# KiCad board FetsAndCrosses.kicad_pcb (continued)
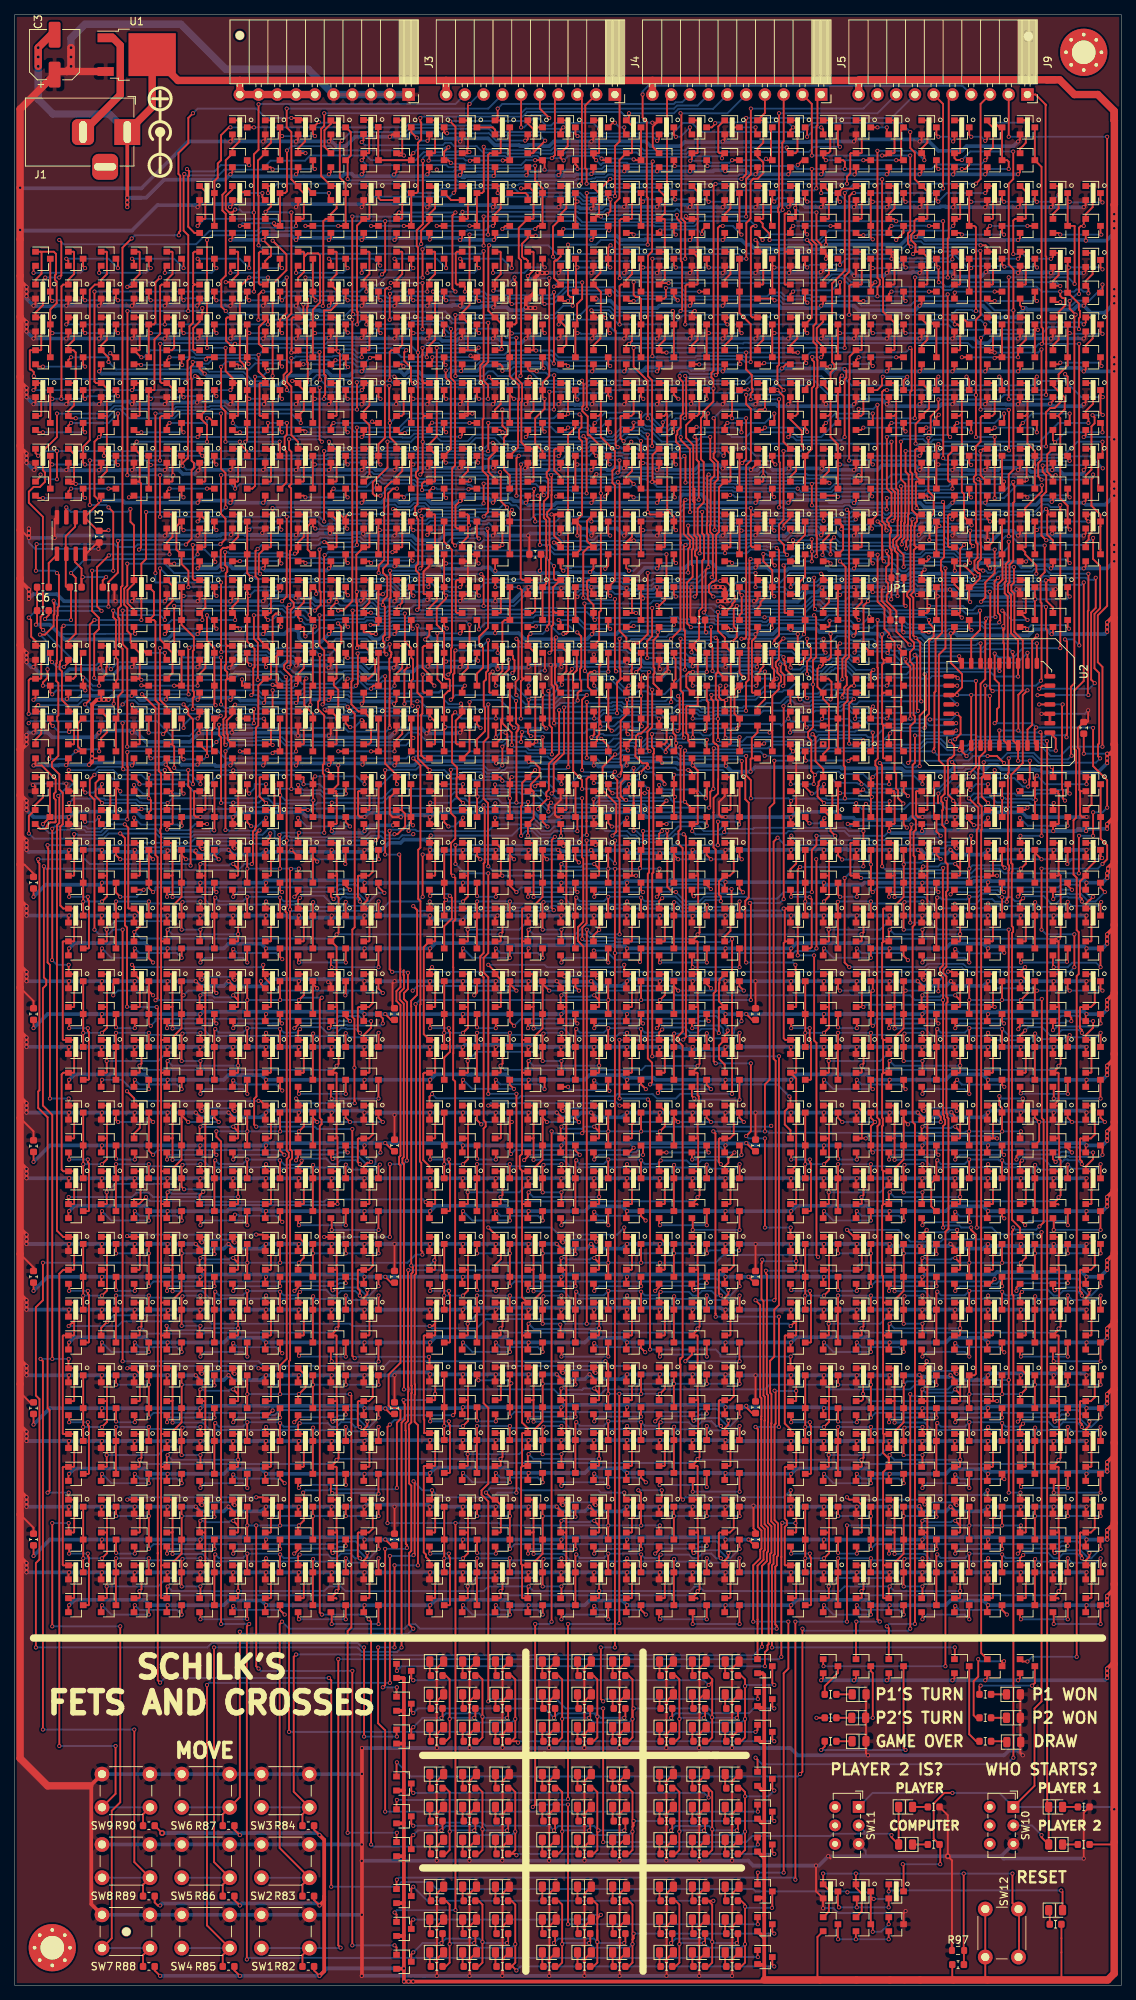
[diagram p0: board, top side]
## Routing (per net, layer and track width the routed paths; a pad name or vN(x,y) marks a point on that pad's centre or on a via; arc(x,y) is an arc through that point) (continued)
/PlayerMoveLegal/sheet5EE55524/C: length 105.7
  Top w0.25: Q831.1 119.08,221.29 119.16,221.37 119.16,225.01 118.43,225.74 Q832.1 117.6,226.52 117.6,231.01 117.48,231.14 v1(117.48,244.44) ; v1(45.08,244.47) 45.08,246.74 Q878.3 44.86,247.01 45.52,247.66 45.52,250.81 44.86,251.46 Q877.3
  Bottom w0.25: v1(45.08,244.47) 45.27,244.29 59.88,244.29 60.05,244.12 61.24,244.12 61.41,244.29 75.99,244.29 76.17,244.47 78.1,244.47 78.18,244.56 78.56,244.56 78.71,244.71 79.99,244.71 80.36,245.08 80.93,245.08 81.08,244.93 97.99,244.93 98.14,245.08 98.71,245.08 99.35,244.44 v1(117.48,244.44)
/PlayerMoveLegal/sheet5EE55524/sheet5EE534A3/A: length 25.4
  Top w0.25: v1(123.83,224.15) 123.83,223.77 123.8,223.74 123.6,223.74 ; Q834.1 122.83,221.94 123.6,222.72 123.6,223.74 ; Q829.3 111.49,223.88 ; 111.49,223.88 Q827.3 ; 111.49,223.88 111.49,223.88 v1(111.76,223.61) ; 123.6,223.74 123.6,224.76 122.83,225.54 Q833.1 ; Q832.3 120.38,223.88 v1(120.65,223.61) ; v1(116.22,223.61) 115.94,223.9 Q828.3
  Bottom w0.25: v1(123.83,224.15) 123.28,223.61 v1(120.65,223.61) v1(116.22,223.61) v1(111.76,223.61)
/StateMaschine/GameOver: length 303.7
  Top w0.25: Q427.3 Q428.3 139.06,246.11 139.06,224.43 139.25,224.24 139.25,222.32 v1(139.09,222.16) ; v1(121.92,169.14) 121.92,165.47 121.6,165.16 121.6,158.12 122.04,157.68 122.04,156.4 121.74,156.09 121.74,152.9 121.89,152.75 121.89,143.54 121.6,143.26 121.6,116.84 121.92,116.52 v1(121.92,48.89) ; v1(142.45,168.91) 142.45,169.3 142.52,169.38 142.52,181.87 v1(142.24,182.15) ; v1(144.18,181.35) 144.16,181.37 v1(144.16,222.16) ; Q1340.1 118.38,48.31 v1(118.11,48.58) ; Q670.1 82.82,221.94 83.03,222.16 v1(83.2,222.16) 83.6,222.55 83.6,225.66 83.52,225.74 Q669.1
  Bottom w0.25: v1(118.11,48.58) 118.43,48.89 v1(121.92,48.89) ; v1(142.45,168.91) 142.17,169.18 139.69,169.18 139.49,168.99 130.41,168.99 130.17,169.23 127.07,169.23 126.98,169.14 v1(121.92,169.14) ; v1(144.18,181.35) 143.38,182.15 v1(142.24,182.15) ; v1(83.2,222.16) 83.26,222.22 98.66,222.22 98.75,222.31 99.37,222.31 99.39,222.28 129.07,222.28 129.68,221.67 138.22,221.67 138.7,222.16 v1(139.09,222.16) v1(144.16,222.16)
/StateMaschine/P1Turn: length 205.6
  Top w0.25: Q1344.1 109.49,43.23 v1(109.54,43.18) ; v1(120.38,191.98) 120.38,193.6 119.65,194.34 119.65,194.68 119.41,194.91 119.41,195.45 120.03,196.06 120.03,198.08 120.1,198.15 120.1,202.8 v1(120.02,202.88) ; v1(133.98,203.52) 133.98,202.83 Q680.3 Q679.3 ; v1(126.05,191.77) 126.05,191.77 126.05,180.98 125.16,180.09 125.16,165.81 125.95,165.02 125.95,161.26 125.49,160.79 125.49,160.24 125.7,160.03 125.7,159.1 125.62,159.02 125.62,157.02 126.05,156.59 126.05,152.02 126.35,151.72 126.35,148.19 126.15,147.99 126.15,147.48 126.18,147.45 126.18,137.86 125.76,137.45 125.76,136.96 126.18,136.54 126.18,133.79 126.33,133.64 126.33,133.06 126.18,132.91 126.18,118.03 126.31,117.9 126.31,117.46 126.46,117.31 126.46,102.4 126.05,101.98 v1(126.05,43.18)
  Bottom w0.25: v1(133.98,203.52) 133.63,203.17 126.71,203.17 126.43,202.88 v1(120.02,202.88) ; v1(120.38,191.98) 120.66,192.25 123.26,192.25 123.3,192.21 125.61,192.21 v1(126.05,191.77) ; v1(109.54,43.18) v1(126.05,43.18)
/StateMaschine/P1WriteEN: length 452.2
  Top w0.25: Q42.1 7.97,92.39 8.05,92.31 8.05,89.64 ; Q82.1 56.87,92.39 56.94,92.31 56.94,89.96 ; 7.27,52.38 7.97,52.38 8.05,52.46 8.05,56.75 7.97,56.83 Q250.1 6.57,56.83 6.5,56.91 6.5,70.09 6.57,70.16 7.97,70.16 8.05,70.24 8.05,74.53 7.97,74.61 Q130.1 6.57,74.61 6.5,74.69 6.5,87.87 6.57,87.94 7.97,87.94 8.05,88.02 8.05,89.64 ; 56.17,52.38 56.87,52.38 56.94,52.46 56.94,56.75 56.87,56.83 Q290.1 56.17,57.48 55.7,57.95 55.7,58.29 55.39,58.59 55.39,70.21 55.47,70.29 Q169.1 56.87,70.29 56.94,70.37 56.94,74.66 56.87,74.73 Q170.1 55.47,74.73 55.46,74.75 55.46,76.55 55.39,76.62 55.39,87.87 55.47,87.94 56.87,87.94 56.94,88.02 56.94,89.96 ; 105.06,52.38 105.76,52.38 105.84,52.46 105.84,56.75 105.76,56.83 Q298.1 104.36,56.83 104.29,56.91 104.29,62.02 104.57,62.3 104.57,62.88 104.29,63.16 104.29,70.09 104.36,70.16 105.76,70.16 105.84,70.24 105.84,74.53 105.76,74.61 Q210.1 105.06,75.26 104.29,76.04 104.29,87.87 104.36,87.94 105.76,87.94 105.84,88.02 105.84,89.64 ; v1(90.05,217.8) 90.05,217.42 90.48,216.99 90.48,212.68 90.18,212.38 90.18,210.84 89.73,210.39 89.73,209.92 89.57,209.75 89.57,208.88 90.09,208.36 90.09,206.72 90.16,206.65 90.16,195.33 90.25,195.24 ; 8.05,89.64 7.73,89.64 v1(7.3,89.22) ; Q667.3 98.16,242.84 Q668.3 98.16,237.22 v1(98.42,236.95) ; v1(76.84,164.46) 76.84,173.99 77.47,174.62 ; v1(81.28,164.24) 81.01,163.96 81.01,163.7 81.61,163.09 81.61,160.76 81.92,160.46 v1(81.92,142.24) ; 105.84,89.64 105.84,92.31 105.76,92.39 Q122.1 105.09,92.42 ; 105.84,89.64 105.52,89.64 v1(105.09,89.22) ; v1(77.47,89.53) v1(77.47,142.88) ; 90.25,195.24 90.22,195.22 ; 90.25,195.24 90.16,195.15 90.16,183.5 v1(88.9,182.25) ; 56.94,89.96 56.94,89.57 56.59,89.22 v1(56.2,89.22) ; v1(67.95,182.25) 68.22,181.97 68.22,176.8 67.83,176.42 67.83,174.74 v1(67.95,174.62) ; v1(94.95,217.93) 95.23,218.2 95.23,237.85 95.5,238.12 v1(95.89,238.12)
  Bottom w0.25: v1(81.28,164.24) 81.23,164.19 77.11,164.19 v1(76.84,164.46) ; v1(94.95,217.93) 94.81,218.07 91.43,218.07 91.09,218.41 90.27,218.41 90.05,218.19 v1(90.05,217.8) ; v1(77.47,174.62) 74.3,174.62 73.03,173.35 69.22,173.35 v1(67.95,174.62) ; v1(98.42,236.95) 97.25,238.12 v1(95.89,238.12) ; v1(67.95,182.25) 68.58,181.61 82.93,181.61 83.53,182.21 85.76,182.21 85.91,182.06 88.72,182.06 v1(88.9,182.25) ; v1(81.92,142.24) 78.11,142.24 v1(77.47,142.88) ; v1(7.3,89.22) 13.97,89.22 14.61,89.85 26.35,89.85 26.67,89.53 45.4,89.53 45.72,89.22 v1(56.2,89.22) 56.52,88.9 62.55,88.9 63.82,90.17 73.98,90.17 74.61,89.53 v1(77.47,89.53) 104.78,89.53 v1(105.09,89.22)
/StateMaschine/P2_Starts: length 283.5
  Top w0.25: Q678.1 105.75,225.74 105.98,225.5 105.98,222.88 105.05,221.94 Q677.1 105.36,220.98 v1(106.05,220.98) ; Q647.1 87.97,225.74 88.04,225.66 88.04,222.72 87.27,221.94 Q648.1 87.31,221.29 87.63,220.98 v1(88.27,220.98) ; D83.2 D82.1 139.83,24.33 139.83,168.36 v1(139.79,168.4) ; D83.2 139.06,20.02 v1(139.06,20.32) ; D83.2 139.7,19.05 ; v1(113.64,174.07) 113.01,173.44 v1(113.01,168.06) ; v1(103.51,200.02) 103.61,200.13 103.61,206.1 103.51,206.21 v1(103.51,214.66) ; v1(99.67,214.66) 99.67,215.43 99.92,215.68 99.92,216.12 99.82,216.22 99.82,217.93 99.06,218.69 v1(99.06,220.98) ; v1(112.09,174.3) 112.09,174.69 112.35,174.95 112.35,175.63 112.69,175.97 112.69,177.06 112.54,177.21 112.54,179.32 113,179.78 113,199.42 v1(112.71,199.71)
  Bottom w0.25: v1(139.79,168.4) 139.65,168.54 129.8,168.54 129.04,167.78 126.32,167.78 125.41,168.69 123.35,168.69 122.57,167.91 113.16,167.91 v1(113.01,168.06) ; v1(103.51,214.66) v1(99.67,214.66) ; v1(112.09,174.3) 113.42,174.3 v1(113.64,174.07) ; SW10.2 137.75,21.63 v1(139.06,20.32) ; v1(88.27,220.98) 99.06,220.98 v1(99.06,220.98) 99.79,220.98 v1(106.05,220.98) ; v1(103.51,200.02) 104.15,200.02 104.46,199.71 v1(112.71,199.71)
/StateMaschine/P2Turn: length 175.8
  Top w0.25: v1(117.16,49.21) 116.84,49.53 116.84,116.27 117.12,116.55 117.12,117.13 116.81,117.45 116.81,164.88 116.56,165.13 116.56,165.71 116.89,166.04 116.89,178.32 116.84,178.37 116.84,184.76 v1(116.86,184.78) ; Q1345.1 113.94,49.16 v1(113.98,49.21) ; 133.27,184.42 133.46,184.61 133.46,185.43 133.15,185.74 133.15,189.61 133.78,190.23 133.78,193.61 Q686.3 Q685.3
  Bottom w0.25: v1(113.98,49.21) v1(117.16,49.21) ; v1(116.86,184.78) 117.14,184.51 120.61,184.51 120.93,184.18 124.11,184.18 124.41,184.48 131.15,184.48 131.43,184.19 133.07,184.19 v1(133.35,184.47)
/StateMaschine/P2WriteEN: length 434.6
  Top w0.25: 105.06,105.72 105.76,105.72 105.84,105.8 105.84,110.09 105.76,110.17 Q1377.1 105.84,110.95 105.84,122.73 105.06,123.5 105.76,123.5 105.84,123.58 105.84,127.87 105.76,127.95 Q1278.1 104.36,127.95 104.14,128.17 104.14,141.06 104.36,141.28 ; 104.36,141.28 Q1189.1 ; 104.36,141.28 104.29,141.36 104.29,145.65 104.36,145.73 Q1190.1 105.06,145.73 v1(104.14,145.73) ; Q697.3 Q698.3 98.16,226.33 99.67,224.81 v1(99.67,219.71) ; v1(2.86,191.45) 2.86,194.94 v1(2.96,195.05) ; v1(56.2,146.69) 56.17,146.65 Q1150.1 56.87,145.73 56.94,145.65 56.94,141.36 56.87,141.28 Q1149.1 55.39,140.51 55.39,128.73 Q1270.1 56.87,127.95 56.94,127.87 56.94,123.58 56.87,123.5 55.47,123.5 55.33,123.36 55.33,111.68 56.17,110.84 Q1369.1 56.87,110.17 56.94,110.09 56.94,105.8 56.87,105.72 56.17,105.72 56.17,105.88 56.05,105.99 v1(55.66,105.99) ; v1(23.18,195) 23.95,195.77 23.95,205.09 24.26,205.4 24.26,206.03 23.95,206.34 23.95,217.42 23.85,217.52 23.85,219.05 24.11,219.31 v1(24.11,219.7) ; v1(5.71,191.13) 5.99,190.86 5.99,186.67 5.81,186.49 5.81,185.39 5.71,185.29 5.71,179.35 5.68,179.32 5.68,178.97 5.62,178.91 5.62,176.54 5.9,176.25 5.9,171.89 5.75,171.74 5.75,171.16 5.9,171.01 5.9,166.39 5.03,165.52 5.03,164.9 6.03,163.89 6.03,161.86 6.5,161.4 6.5,157.14 6.17,156.81 6.17,146.14 6.57,145.73 Q1110.1 7.97,145.73 8.05,145.65 8.05,141.36 7.97,141.28 Q1109.1 6.57,141.28 6.5,141.21 6.5,128.03 6.57,127.95 Q1230.1 7.97,127.95 8.05,127.87 8.05,123.58 7.97,123.5 6.57,123.5 6.35,123.28 6.35,110.39 6.57,110.17 Q1318.1 7.97,110.17 8.05,110.09 8.05,105.8 7.97,105.72 7.27,105.72 7.27,106.65 v1(7.3,106.68)
  Bottom w0.25: v1(99.67,219.71) 98.93,219.71 98.71,219.93 98.59,219.93 98.45,220.07 92.52,220.07 92.35,219.89 73.47,219.89 72.71,220.65 66.92,220.65 66.51,220.25 62.91,220.25 62.57,219.91 58.06,219.91 57.86,219.71 53.04,219.71 52.99,219.77 52.41,219.77 51.72,219.07 46.36,219.07 45.81,219.62 44.83,219.62 44.55,219.34 43.15,219.34 42.52,219.98 40.38,219.98 40.37,219.99 38.8,219.99 38.44,219.63 37.18,219.63 36.83,219.98 32.75,219.98 32.52,220.21 26.93,220.21 26.18,219.46 25.6,219.46 25.37,219.7 v1(24.11,219.7) ; v1(2.86,191.45) 5.4,191.45 v1(5.71,191.13) ; v1(23.18,195) 16.63,195 16.3,194.67 13.89,194.67 13.51,195.05 v1(2.96,195.05) ; v1(104.14,145.73) 103.87,145.46 93.62,145.46 93.5,145.33 90.25,145.33 89.85,145.73 73.67,145.73 73.29,146.11 72.72,146.11 72.48,145.87 57.02,145.87 v1(56.2,146.69) ; v1(7.3,106.68) 15.88,106.68 16.48,107.28 18.13,107.28 18.73,106.68 24.76,106.68 25.4,106.04 41.91,106.04 42.23,106.36 55.29,106.36 v1(55.66,105.99)
/StateMaschine/sheet5F22CC70/D: length 71.6
  Top w0.25: v1(76.22,232.5) 76.11,232.5 75.93,232.68 ; v1(130.82,235.49) 131.5,235.49 131.72,235.28 Q624.1 132.41,234.63 132.49,234.55 132.49,230.26 132.41,230.19 Q626.1 ; v1(80.66,232.5) 80.38,232.79 Q702.3 80.38,235.18 v1(80.69,235.49) ; Q699.3 76.02,233.59 76.02,229.32 Q700.3
  Bottom w0.25: v1(130.82,235.49) 130.67,235.64 123.12,235.64 122.73,236.04 121.28,236.04 120.16,234.92 110.64,234.92 110.09,234.37 98.82,234.37 98.21,234.98 81.2,234.98 v1(80.69,235.49) ; v1(76.22,232.5) v1(80.66,232.5)
/StateMaschine/sheet5F22CC70/sheet5EFA4EF6/A: length 25.6
  Top w0.25: Q613.1 114.64,239.07 114.71,239.15 114.71,243.44 114.64,243.52 Q611.1 113.59,243.17 112.09,243.17 Q646.3 111.49,241.66 v1(111.76,241.39) ; 102.6,241.66 Q641.3 ; 102.6,241.66 102.42,241.48 102.42,238.31 Q643.3 ; 102.6,241.66 102.85,241.42 v1(102.86,241.42) ; Q642.3 107.05,241.71 v1(107.34,241.41)
  Bottom w0.25: v1(102.86,241.42) 103.32,241.88 106.88,241.88 v1(107.34,241.41) 107.36,241.39 v1(111.76,241.39)
/StateMaschine/sheet5F22CC70/sheet5EFA5A03/A: length 70.1
  Top w0.25: 115.94,241.66 Q611.3 ; 115.94,241.66 Q613.3 115.94,236.58 v1(116.2,236.31) ; 115.94,241.66 115.94,241.66 v1(116.2,241.39) ; Q645.1 110.19,239.07 110.27,239.15 110.27,242.79 109.54,243.52 Q646.1 109.22,243.25 v1(109.22,242.57) ; Q638.1 132.41,239.07 132.49,239.15 132.49,243.44 132.41,243.52 Q636.1 131.72,242.84 v1(131.44,242.57) ; Q619.1 101.3,230.19 101.38,230.26 101.38,234.55 101.3,234.63 Q617.1 100.6,235.95 v1(100.33,236.22) ; v1(125.08,241.42) 124.83,241.67 Q616.3 ; Q612.3 120.38,241.66 v1(120.65,241.39)
  Bottom w0.25: v1(100.33,236.22) 100.97,235.58 108.97,235.58 109.6,236.22 115.73,236.22 115.82,236.31 v1(116.2,236.31) ; v1(109.22,242.57) 111.53,242.57 112.71,241.39 v1(116.2,241.39) v1(120.65,241.39) 125.06,241.39 v1(125.08,241.42) 126.24,242.57 v1(131.44,242.57)
/StateMaschine/sheet5F22CC70/sheet5EFA5AF5/A: length 46
  Top w0.25: 102.6,232.77 Q617.3 ; 102.6,232.77 Q619.3 ; 102.6,232.77 102.61,232.78 v1(102.89,232.5) ; Q625.1 127.97,230.19 128.05,230.26 128.05,234.55 127.97,234.63 Q623.1 127,234.36 v1(127,233.61) ; Q632.1 119.08,230.19 119.16,230.26 119.16,234.55 119.08,234.63 Q630.1 118.74,234.26 v1(118.74,233.68) ; Q618.3 107.05,232.79 v1(107.33,232.5) ; Q622.3 111.76,233.41 v1(111.76,232.86)
  Bottom w0.25: v1(102.89,232.5) v1(107.33,232.5) 107.69,232.86 v1(111.76,232.86) 112.58,233.68 v1(118.74,233.68) 119.16,233.26 126.66,233.26 v1(127,233.61)
/StateMaschine/sheet5F22CC70/sheet5F21B607/B: length 61
  Top w0.25: Q642.1 105.75,243.52 105.82,243.44 105.82,239.15 105.75,239.07 ; v1(129.54,232.41) 129.27,232.68 Q623.3 Q625.3 ; 105.75,239.07 Q644.1 ; 105.75,239.07 105.7,239.12 v1(105.7,240.57) ; v1(134.03,232.61) 133.72,232.93 Q624.3 ; Q622.1 110.27,233.85 110.27,231.61 109.49,230.83 Q621.1 ; Q622.1 109.86,234.26 v1(109.86,233.68) ; Q622.1 109.25,234.87 109.25,235.55 108.59,236.22 v1(108.59,239.94) ; v1(138.45,232.5) 138.16,232.79 Q628.3
  Bottom w0.25: v1(109.86,233.68) 110.24,233.68 110.84,234.28 119.03,234.28 119.6,233.71 126.22,233.71 126.71,234.21 127.29,234.21 129.08,232.41 v1(129.54,232.41) 129.81,232.68 133.96,232.68 v1(134.03,232.61) 138.33,232.61 v1(138.45,232.5) ; v1(108.59,239.94) 106.34,239.94 v1(105.7,240.57)
/StateMaschine/sheet5F22E6EC/A: length 170.9
  Top w0.25: 129.27,241.66 Q635.3 ; 129.27,241.66 Q637.3 129.97,238.12 130.17,237.92 130.17,227 130.18,226.99 v1(130.18,226.6) ; 129.27,241.66 129.27,241.66 v1(129.54,241.39) ; Q629.1 114.64,234.63 114.71,234.55 114.71,230.26 114.64,230.19 Q631.1 ; Q652.1 140.6,239.72 141.38,240.5 141.38,243.44 141.3,243.52 Q651.1 ; Q689.1 145.05,221.94 145.99,222.88 145.99,225.5 145.75,225.74 Q690.1 145.05,225.06 v1(144.78,224.79) ; Q631.1 113.98,230.19 ; Q631.1 113.23,230.19 113.03,229.98 113.03,226.11 v1(113.01,226.09) ; 83.6,231.61 82.82,230.83 Q693.1 82.12,230.19 81.92,229.98 v1(81.92,224.79) ; 83.6,231.61 83.6,232.82 v1(83.82,233.04) 83.79,233.08 83.61,233.08 ; 83.6,231.61 83.6,234.55 83.52,234.63 Q691.1 ; Q636.3 133.72,241.66 v1(133.98,241.39) ; Q708.1 74.71,222.07 74.71,224.38 73.93,225.15 Q707.1 73.66,225.47 v1(73.66,224.79) ; Q640.3 138.16,241.66 v1(138.43,241.39) ; Q703.1 74.63,243.52 74.71,243.44 74.71,240.5 73.93,239.72 Q704.1 72.9,238.04 v1(72.9,233.96)
  Bottom w0.25: v1(141.39,242.36) 140.43,241.39 v1(138.43,241.39) v1(133.98,241.39) v1(129.54,241.39) ; v1(72.9,233.96) 73.5,233.35 83.33,233.35 83.61,233.08 ; v1(144.78,224.79) 144.51,225.06 132.11,225.06 130.57,226.6 v1(130.18,226.6) 129.79,226.6 129.64,226.75 127.56,226.75 126.9,226.09 102.45,226.09 102.16,225.8 100.73,225.8 100.43,226.09 92.46,226.09 92.37,226 90.47,226 89.25,224.79 v1(81.92,224.79) 81.77,224.79 80.3,226.27 79.72,226.27 78.89,225.44 74.31,225.44 v1(73.66,224.79)
/StateMaschine/sheet5F22E6EC/sheet5E561706/A: length 128
  Top w0.25: v1(147.32,241.3) 147.05,241.57 Q654.3 ; Q651.3 Q652.3 143.51,238.12 143.54,238.09 v1(143.54,230.28) ; v1(120.65,207.64) 120.65,204.85 121.07,204.43 121.07,199.11 121,199.04 121,197.78 120.93,197.71 120.93,195.69 120.73,195.5 120.73,194.46 v1(120.71,194.44) ; Q650.1 145.05,195.27 145.45,195.67 145.45,196.19 145.83,196.56 145.83,198.99 145.75,199.07 Q649.1 145.05,198.48 v1(145.41,198.12) ; 139.68,212.7 139.63,212.76 ; 139.68,212.7 v1(139.68,208.28) ; 139.68,212.7 139.68,212.91 140.23,213.47 140.83,213.47 141.6,214.24 v1(141.6,214.63) ; v1(129.8,194.78) 129.4,195.18 v1(129.4,196.88) ; v1(134.62,231.16) v1(134.62,214.66) ; v1(142.88,241.39) 142.78,241.39 142.6,241.57
  Bottom w0.25: v1(120.71,194.44) 121.29,195.01 125.66,195.01 125.99,194.68 127.65,194.68 127.97,194.36 129.37,194.36 v1(129.8,194.78) ; v1(134.62,214.66) 139.97,214.66 140.21,214.9 141.33,214.9 v1(141.6,214.63) ; v1(129.4,196.88) 131.77,196.88 133.01,198.12 v1(145.41,198.12) ; v1(134.62,231.16) 142.67,231.16 v1(143.54,230.28) ; v1(147.32,241.3) 142.97,241.3 v1(142.88,241.39) ; v1(139.68,208.28) 139.29,208.28 139.23,208.34 125.88,208.34 125.18,207.64 v1(120.65,207.64)
/StateMaschine/sheet5F22E6ED/B: length 50.3
  Top w0.25: Q660.1 132.41,221.29 132.49,221.37 132.49,225.66 132.41,225.74 Q659.1 ; Q660.1 132.03,220.98 v1(132.72,220.98) ; Q660.1 131.72,221.34 ; v1(139.06,221.41) 139.06,206.47 138.61,206.03 138.61,204.23 v1(139.06,203.78) ; v1(146.05,204.47) 146.05,204.08 145.83,203.86 145.83,200.25 147.05,199.02 Q649.3 147.05,197.47 147.04,197.46 147.04,194.34 147.05,194.32 Q650.3
  Bottom w0.25: v1(146.05,204.47) 145.36,203.78 v1(139.06,203.78) ; v1(132.72,220.98) 138.63,220.98 v1(139.06,221.41)
/StateMaschine/sheet5F22E6ED/sheet5E562435/A: length 20.8
  Top w0.25: v1(135.89,220.34) 135.89,221.02 Q656.1 136.16,221.94 136.94,222.72 136.94,225.66 136.86,225.74 Q655.1 ; Q659.3 Q660.3 132.83,220.34 v1(132.72,220.23) ; Q657.3 v1(128.27,220.34)
  Bottom w0.25: v1(128.27,220.34) 132.6,220.34 v1(132.72,220.23) 132.83,220.34 v1(135.89,220.34)
/StateMaschine/sheet5F22E6EE/A: length 111
  Top w0.25: v1(116.2,232.41) 115.94,232.68 115.94,232.77 ; Q661.1 83.52,243.52 83.6,243.44 83.6,239.15 83.52,239.07 Q663.1 82.12,239.07 81.92,238.87 81.92,231.45 81.93,231.44 v1(81.93,231.05) ; Q640.1 136.21,243.52 136.94,242.79 136.94,239.15 136.86,239.07 Q639.1 135.46,239.07 135.23,238.85 v1(135.23,234.31) ; 115.94,232.77 Q629.3 ; 115.94,232.77 Q631.3 115.94,229.89 v1(116.55,230.5) ; v1(125.14,230.5) 125.11,230.54 v1(125.11,232.5) 124.83,232.79 Q634.3 ; v1(141.6,229.99) 141.57,230.02 Q682.1 140.6,230.67 141.38,231.45 141.38,234.39 141.3,234.47 Q681.1 140.6,233.95 v1(140.33,233.68) ; Q630.3 120.38,232.79 v1(120.67,232.5)
  Bottom w0.25: v1(116.55,230.5) 113.28,230.5 112.23,231.56 110.65,231.56 110.24,231.14 82.02,231.14 v1(81.93,231.05) ; v1(116.2,232.41) 120.58,232.41 v1(120.67,232.5) v1(125.11,232.5) ; v1(135.23,234.31) 136.52,234.31 137.16,233.68 v1(140.33,233.68) ; v1(141.6,229.99) 141.09,230.5 127.23,230.5 126.63,229.9 126.06,229.9 125.46,230.5 v1(125.14,230.5)
/StateMaschine/sheet5F22E6EE/sheet5EE534A3/A: length 25.7
  Top w0.25: 96.93,241.52 97.13,241.52 97.16,241.55 v1(97.16,241.94) ; 96.93,241.52 96.93,243.44 96.86,243.52 Q667.1 ; 96.93,241.52 96.93,240.5 96.16,239.72 Q668.1 ; Q663.3 84.82,241.66 ; 84.82,241.66 Q661.3 ; 84.82,241.66 85.07,241.41 v1(85.09,241.41) ; v1(93.98,241.39) 93.71,241.66 Q666.3 ; Q662.3 89.27,241.89 v1(89.45,241.71)
  Bottom w0.25: v1(85.09,241.41) 85.39,241.71 v1(89.45,241.71) 93.66,241.71 v1(93.98,241.39) 96.61,241.39 v1(97.16,241.94)
/StateMaschine/sheet5F22EFC8/B: length 97.4
  Top w0.25: Q648.3 Q647.3 89.27,226.46 v1(89.12,226.6) ; Q674.1 30.18,252.41 30.42,252.17 30.42,249.55 29.48,248.61 Q673.1 29.48,247.92 28.57,247.01 28.57,242.79 28.12,242.34 28.12,240.21 28.57,239.76 28.57,231.39 27.97,230.79 27.97,227.2 v1(28.57,226.6)
  Bottom w0.25: v1(28.57,226.6) 29.06,226.12 41,226.12 41.14,225.99 44.77,225.99 45.55,226.77 46.12,226.77 46.36,226.52 58.32,226.52 59.38,225.46 59.96,225.46 60.11,225.61 73.21,225.61 73.72,226.12 76.64,226.12 77.82,227.3 79.22,227.3 79.35,227.17 80.67,227.17 81.4,226.44 88.95,226.44 v1(89.12,226.6)
/StateMaschine/sheet5F22EFC8/Q: length 158.3
  Top w0.25: Q634.1 122.88,234.63 123.6,233.9 123.6,230.26 123.52,230.19 Q633.1 ; Q634.1 122.7,234.63 122.68,234.66 122.55,234.66 ; Q634.1 122.13,234.63 121.95,234.8 ; Q627.1 136.86,230.19 136.94,230.26 136.94,234.55 136.86,234.63 Q628.1 136.16,233.95 v1(135.89,233.68) ; Q671.3 Q672.3 ; Q671.3 27.04,244.2 27.5,244.67 27.5,246.57 27.94,247.01 27.94,250.41 28.99,251.46 v1(29.21,251.46) ; Q671.3 26.99,242.57 ; 121.95,234.8 122,234.85 122,235.59 121.42,236.17 121.42,236.92 121.85,237.36 121.85,238.8 122.13,239.07 Q615.1 123.52,239.07 123.6,239.15 123.6,242.79 122.88,243.52 Q616.1 121.9,244.45 121.9,248.05 121.29,248.67 v1(121.29,250.82) ; 121.95,234.8 121.95,234.6 v1(121.67,234.31) ; Q674.3 v1(32.39,251.46)
  Bottom w0.25: v1(135.89,233.68) 128.45,233.68 127.47,234.66 122.01,234.66 v1(121.67,234.31) ; v1(29.21,251.46) v1(32.39,251.46) 52.91,251.46 53.3,251.85 58.49,251.85 58.63,251.71 64.44,251.71 65.33,250.83 71.58,250.82 71.59,250.81 75.85,250.81 75.93,250.89 76.5,250.89 76.75,250.65 89.1,250.65 90.52,252.06 91.73,252.06 92.96,250.82 106.68,250.82 107.91,252.06 120.05,252.06 v1(121.29,250.82)
/StateMaschine/sheet5F22F09C/Q: length 64.7
  Top w0.25: Q641.1 101.3,243.52 101.38,243.44 101.38,239.15 101.3,239.07 Q643.1 100.65,239.07 101.3,238.42 101.3,237.99 102.23,237.05 v1(102.23,236.22) ; Q635.1 127.97,243.52 128.05,243.44 128.05,239.15 127.97,239.07 Q637.1 127.27,238.3 v1(127.1,238.12) ; Q675.3 Q676.3 ; v1(107.31,236.22) 107.95,235.58 107.95,225.69 Q678.3 107.05,223.9 v1(107.33,223.61) ; 102.6,223.79 102.78,223.61 v1(102.89,223.61)
  Bottom w0.25: v1(127.1,238.12) 126.46,237.49 110.24,237.49 108.97,236.22 v1(107.31,236.22) v1(102.23,236.22) ; v1(102.89,223.61) v1(107.33,223.61)
/StateMaschine/sheet5F232E2B/sheet5E561706/A: length 59
  Top w0.25: v1(147.32,232.25) 147.05,232.52 Q684.3 ; Q681.3 Q682.3 142.66,229.07 144.13,227.6 144.13,226.76 144.27,226.61 144.27,225.77 144.12,225.62 v1(144.12,224.15) ; Q679.1 131.12,207.96 v1(130.81,207.64) 130.81,204.37 131.66,203.51 Q680.1 ; v1(142.78,232.48) 142.64,232.48 142.6,232.52 ; v1(130.81,213.27) 130.81,222.52 130.88,222.59 v1(130.88,222.98) ; v1(134.66,207.74) 134.66,213.17 v1(134.62,213.21)
  Bottom w0.25: v1(130.88,222.98) 131.42,223.52 137.72,223.52 137.78,223.46 139.05,223.46 140.02,224.43 143.85,224.43 v1(144.12,224.15) ; v1(134.62,213.21) 134.47,213.36 130.9,213.36 v1(130.81,213.27) ; v1(147.32,232.25) 147.05,232.52 142.82,232.52 v1(142.78,232.48) ; v1(134.66,207.74) 131.66,207.74 131.57,207.64 v1(130.81,207.64)
/StateMaschine/sheet5F235ECF/sheet5EE534A3/A: length 25.8
  Top w0.25: v1(97.16,233.04) 97.16,232.66 97.13,232.63 96.93,232.63 ; 96.93,232.63 96.93,234.55 96.86,234.63 Q697.1 ; 96.93,232.63 96.93,231.61 96.16,230.83 Q698.1 ; Q693.3 84.82,232.77 ; 84.82,232.77 Q691.3 ; 84.82,232.77 84.83,232.78 v1(85.11,232.5) ; v1(94,232.5) 93.71,232.79 Q696.3 ; v1(89.54,232.5) 89.27,232.77 Q692.3
  Bottom w0.25: v1(97.16,233.04) 96.61,232.5 v1(94,232.5) v1(89.54,232.5) v1(85.11,232.5)
/StateMaschine/sheet5F244B0F/A: length 63.5
  Top w0.25: Q709.1 78.38,221.94 79.31,222.88 79.31,225.5 79.08,225.74 Q710.1 78.38,226.42 v1(78.11,226.69) ; Q711.1 92.41,225.74 92.49,225.66 92.49,222.72 91.71,221.94 Q712.1 ; Q711.1 91.71,226.39 91.92,226.6 v1(92.08,226.6) ; Q711.1 91.71,225.69 ; Q703.3 75.93,241.69 v1(76.2,241.42) 75.93,241.15 Q704.3 ; Q706.3 80.38,242.01 v1(80.68,241.71) 80.68,240.12 v1(80.23,239.68) ; v1(89.68,239.6) 89.68,239.12 90.2,238.59 90.2,233.39 90.39,233.21 90.39,226.81 v1(90.18,226.6)
  Bottom w0.25: v1(78.11,226.69) 78.13,226.72 80.48,226.72 81.21,225.99 89.56,225.99 v1(90.18,226.6) v1(92.08,226.6) ; v1(80.23,239.68) 80.31,239.6 v1(89.68,239.6) ; v1(76.2,241.42) 76.45,241.42 76.81,241.07 78.54,241.07 78.61,241.15 79.22,241.15 79.78,241.7 80.67,241.7 v1(80.68,241.71)
/StateMaschine/sheet5F23319C/A: length 108.3
  Top w0.25: Q692.1 87.97,234.63 ; 87.97,234.63 88.04,234.71 88.04,239 87.97,239.07 ; 87.97,234.63 88.04,234.55 88.04,230.91 87.31,230.19 ; Q684.1 145.75,234.47 145.99,234.23 145.99,231.61 145.05,230.67 Q683.1 145.41,229.66 v1(145.41,229) ; Q670.3 Q669.3 84.82,228.23 84.55,228.51 84.11,228.51 83.82,228.8 v1(83.82,230.5) ; 141.38,225.66 141.38,222.72 140.6,221.94 Q688.1 ; 141.38,225.66 141.3,225.74 Q687.1 ; 141.38,225.66 141.38,226.47 142.24,227.33 142.24,228.35 141.89,228.35 141.6,228.64 v1(141.6,229.23) ; 87.31,230.19 87.51,230.38 v1(88.55,230.38) ; 87.31,230.19 Q694.1 ; Q662.1 87.27,242.94 88.04,242.16 88.04,239.85 Q664.1 87.97,239.07 ; 87.97,239.07 87.7,239.07
  Bottom w0.25: v1(145.41,229) 145.18,229.23 144.72,229.23 144.43,229.52 143.79,229.52 143.51,229.23 v1(141.6,229.23) 139.08,229.23 138.43,229.89 127.25,229.89 126.82,229.45 125.87,229.45 125.44,229.88 113.27,229.88 112.05,231.11 110.84,231.11 110.11,230.38 v1(88.55,230.38) 88.42,230.5 v1(83.82,230.5)
/StateMaschine/sheet5F23319C/sheet5E561706/A: length 80.1
  Top w0.25: v1(147.32,223.52) 147.05,223.79 Q690.3 ; Q687.3 Q688.3 142.6,219.25 141.38,218.03 141.38,216.76 v1(141.6,216.53) ; v1(118.11,215.9) 117.72,215.9 117.48,215.66 117.48,198.13 117.93,197.69 117.93,197.06 v1(118.08,196.91) ; Q686.1 132.49,195.4 132.49,198.99 132.41,199.07 Q685.1 131.72,198.48 v1(132.08,198.12) ; 142.6,223.79 142.78,223.61 v1(142.88,223.61)
  Bottom w0.25: v1(141.6,216.53) 140.97,215.9 v1(118.11,215.9) ; v1(132.08,198.12) 131.81,198.39 129.43,198.39 128.85,197.82 126.39,197.82 126.09,198.12 124.94,198.12 124.19,197.37 122.71,197.37 122.26,196.91 v1(118.08,196.91) ; v1(142.88,223.61) 142.97,223.52 v1(147.32,223.52)
/StateMaschine/sheet5F24372D/A: length 26.9
  Top w0.25: Q708.3 Q707.3 76.17,225.03 76.17,227.55 76.85,228.23 v1(76.85,230.47) ; v1(73.03,229.9) 73.65,229.9 Q700.1 73.06,231.06 73.06,233.3 73.22,233.46 73.41,233.46 73.93,233.98 Q699.1 ; v1(80.59,223.61) 80.38,223.82 Q710.3 ; v1(76.22,223.61) 76.11,223.61 75.93,223.79